# Altium PCB T4F81.PcbDoc (part 1 of 2)
Units mil, origin at the board's own origin, x right, y up, seen from the top; angles counter-clockwise.
Board outline 1574.8 x 2047.24 mil, 4 copper layers (Top Layer, GND, PWR, Bottom Layer), stack 39.337 mil thick; 73 components, 105 nets, 375 pads, 167 vias.
Unrouted connection lines stored in the file: 1.
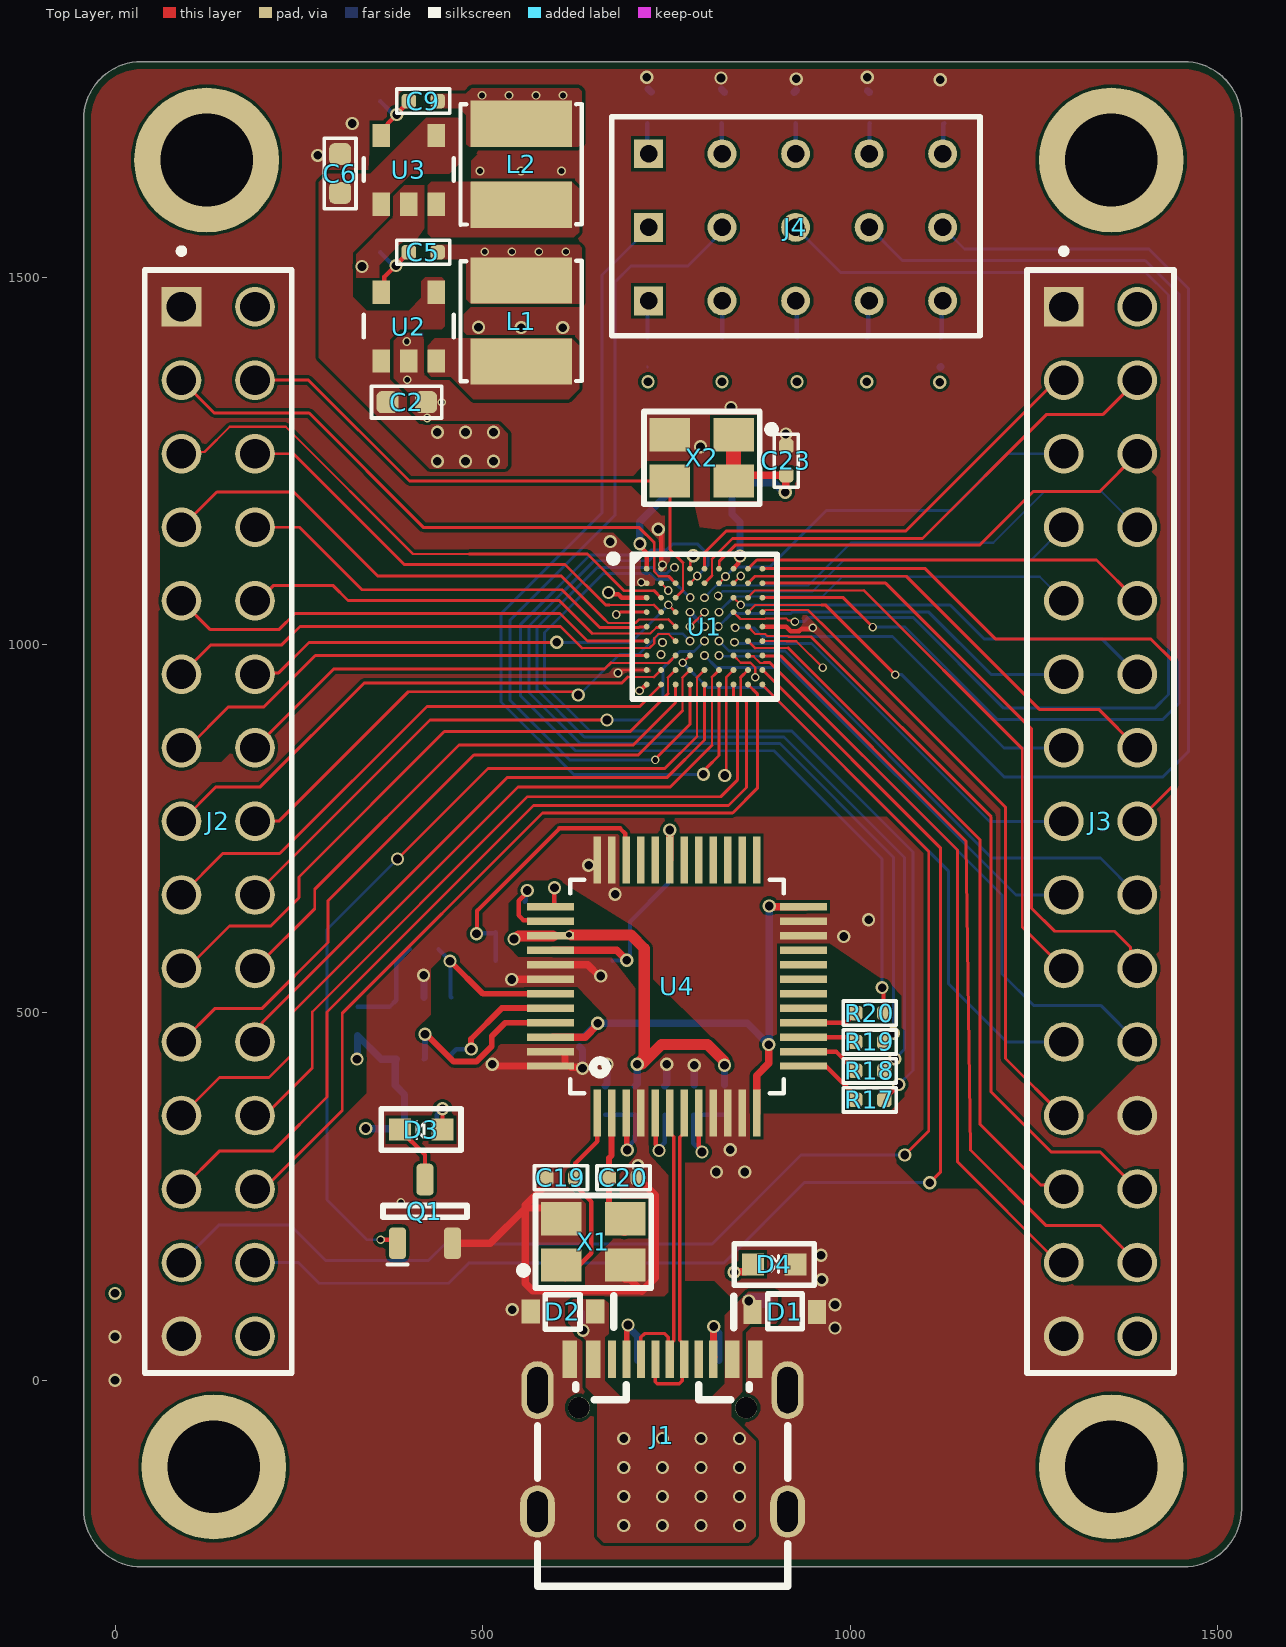
[diagram p0: Top Layer view]
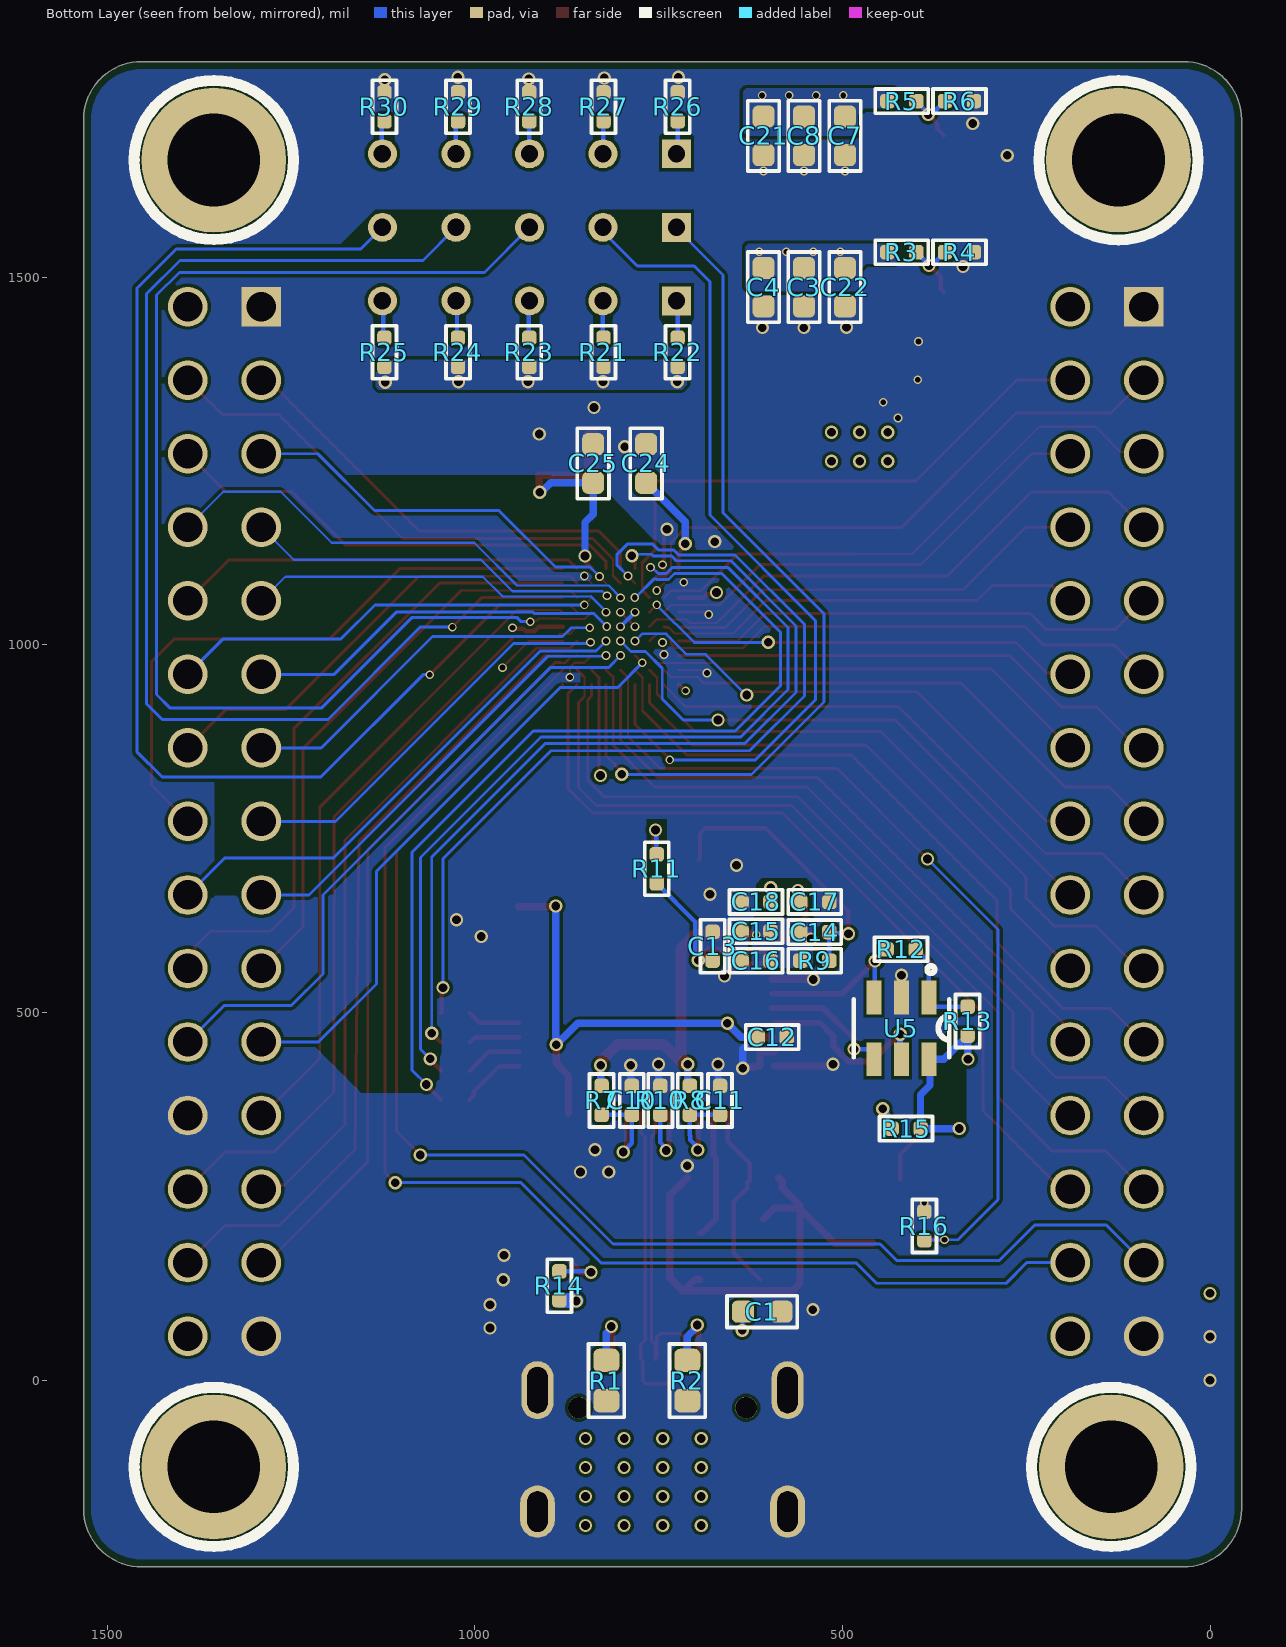
[diagram p1: Bottom Layer view, seen from below]
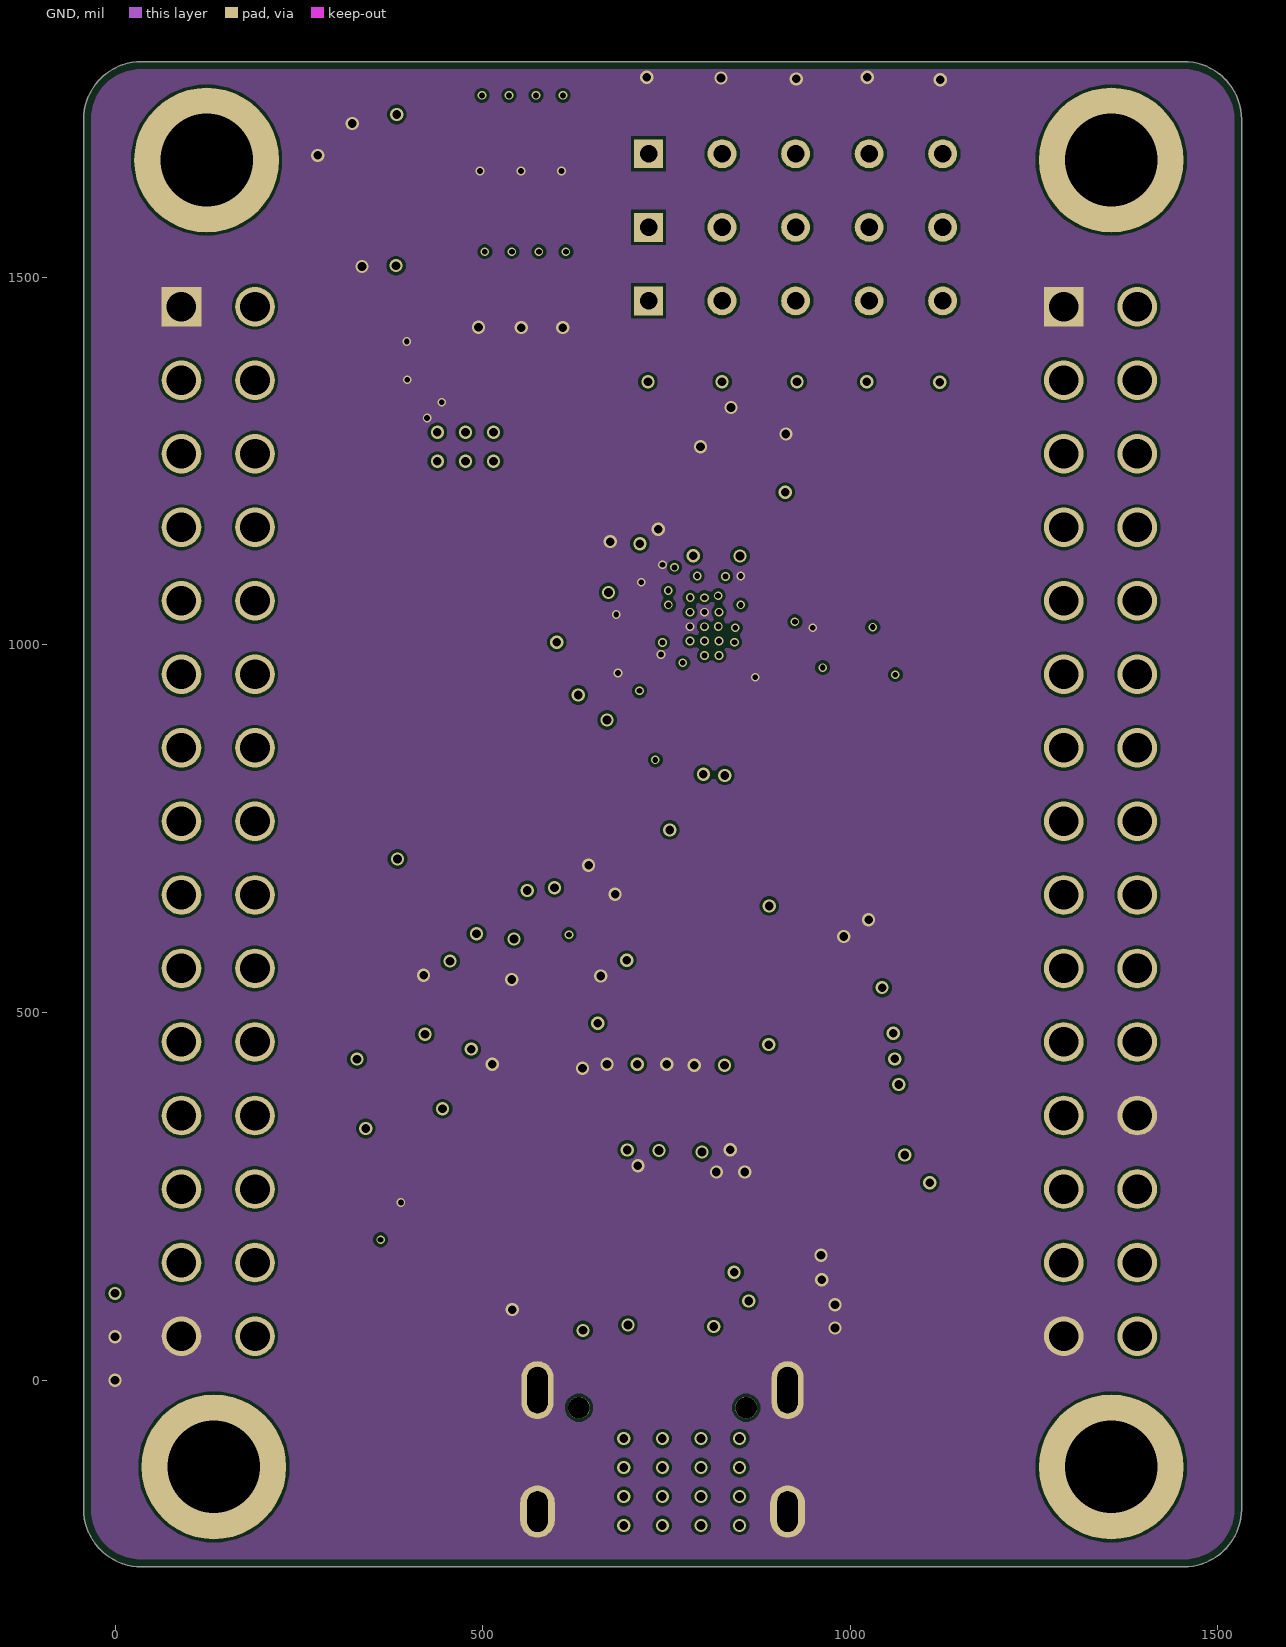
[diagram p2: GND]
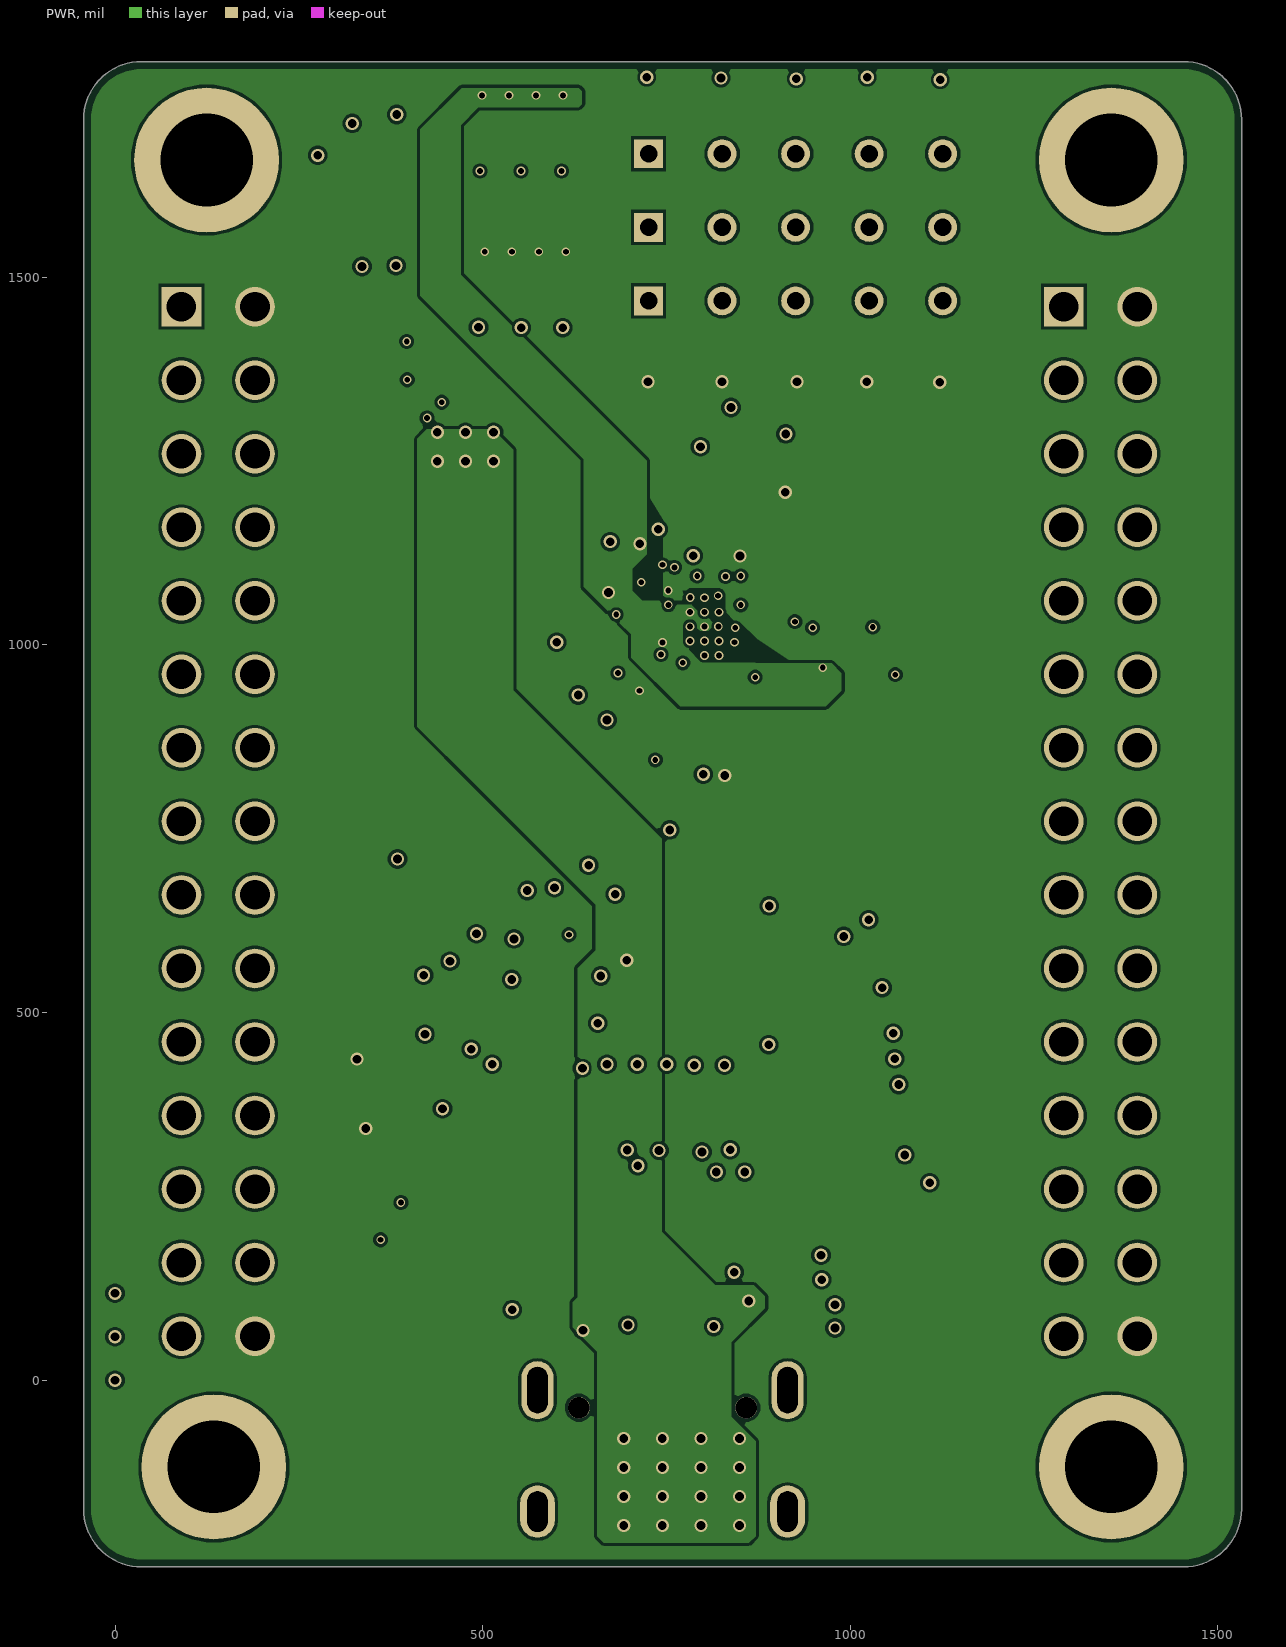
[diagram p3: PWR]

## Layer stack, top to bottom
Top Solder: solder mask 0.4, Solder Resist, Dk 3.5
Top Layer: signal copper 1.378
Dielectric 2: prepreg 3.913, PP-006, Dk 4.1
GND: signal copper 0.598
Dielectric 1: prepreg 27.5591, FR-4, Dk 4.8
PWR: signal copper 0.598
Dielectric 3: prepreg 3.913, PP-006, Dk 4.1
Bottom Layer: signal copper 1.378
Bottom Solder: solder mask 0.4, Solder Resist, Dk 3.5

## Board outline
35.93,-253.87 cw(c35.93,-175.13) -42.81,-175.13 -42.81,1714.64 cw(c35.93,1714.64) 35.93,1793.38 1453.26,1793.38 cw(c1453.26,1714.64) 1532,1714.64 1532,-175.13 cw(c1453.26,-175.13) 1453.26,-253.87

## Design rules (kind name [scope] priority, off if disabled: settings)
BoardOutlineClearance [All] p1: gap=10 ignorepadtopadclearanceinfootprint=FALSE
Clearance [All] p1: gap=4 ignorepadtopadclearanceinfootprint=TRUE except(3: Arc-Arc Arc-Track Track-Track)
DiffPairsRouting [InDifferentialPair('USB')] p1: maxlimit=4 minlimit=4 mostfreqgap=4 toplayer_minwidth=4.62 toplayer_maxwidth=4.62 toplayer_prefwidth=4.62 midlayer1_minwidth=4.62 midlayer1_maxwidth=4.62 midlayer1_prefwidth=4.62 midlayer2_minwidth=4.62 midlayer2_maxwidth=4.62 midlayer2_prefwidth=4.62 bottomlayer_minwidth=4.62 bottomlayer_maxwidth=4.62 bottomlayer_prefwidth=4.62 maxuncoupledlength=500
PolygonConnect [All] p1: connectstyle=Direct reliefconductorwidth=10 reliefentries=4 polygonreliefangle="90 Angle" airgapwidth=10
RoutingVias [All] p1: holewidth=11.81 width=17.99 viastyle="Through Hole" minholewidth=7.87 minwidth=11.81 maxholewidth=11.81 maxwidth=17.99
SolderMaskExpansion [All] p1: expansion=2 istentingtop=FALSE
Width [All] p1: maxlimit=20 minlimit=3 preferedwidth=10 minimp=50.000000 maximp=50.000000 favimp=50.000000
29 further rules are at their usual default settings.

## Classes and differential pairs
differential pair class USB: USB
net class USB_2.0: USB_N USB_P
component class T4F81_FPGA: C10 C11 C12 C13 C14 C15 C16 C17 C18 C19 C20 C23 D3 J2 J3 J4 Q1 R7 R8 R9 R10 R11 R12 R13 R15 R16 R17 R18 R19 R20 R21 R22 R23 R24 R25 R26 R27 R28 R29 R30 U1 U4 U5 X1 X2
component class Power: C1 C2 C3 C4 C5 C6 C7 C8 C9 C21 C22 C24 C25 D1 D2 D4 J1 L1 L2 R1 R2 R3 R4 R5 R6 R14 U2 U3
differential pair USB: +USB_P -USB_N

## Components (designator, comment, footprint, x,y, rotation, side; value= is the part's Value field where it differs from the comment)
C1 "Capacitor" CAPC0603 609.16,93.29 r180 bottom value=10uF
C2 "" CAPC0603 396.61,1330.11 r180 top value=22uF
C3 "" CAPC0603 552.17,1486.51 r90 bottom value=22uF
C4 "" CAPC0603 607.21,1486.51 r90 bottom value=22uF
C5 "" CAPC0402 419.17,1534.1 r0 top value=22pF
C6 "" CAPC0603 306.06,1641.13 r270 top value=22uF
C7 "" CAPC0603 496.39,1692.33 r90 bottom value=22uF
C8 "" CAPC0603 552.17,1692.33 r90 bottom value=22uF
C9 "" CAPC0402 419.21,1739.65 r0 top value=22pF
C10 "" CAPC0402 786.43,380.54 r270 bottom value=0.1uF
C11 "" CAPC0402 666.43,380.54 r270 bottom value=0.1uF
C12 "" CAPC0402 595.49,466.64 r0 bottom value=0.1uF
C13 "" CAPC0402 676.56,590.23 r270 bottom value=0.1uF
C14 "" CAPC0402 537.49,609.48 r0 bottom value=10nF
C15 "" CAPC0402 617.49,610.54 r180 bottom value=4.7uF
C16 "" CAPC0402 617.49,570.54 r180 bottom value=0.1uF
C17 "" CAPC0402 537.49,650.54 r0 bottom value=0.1uF
C18 "" CAPC0402 617.49,650.54 r180 bottom value=0.1uF
C19 "" CAPC0402 606.44,275.36 r0 top value=22pF
C20 "" CAPC0402 691.44,275.36 r180 top value=22pF
C21 "" CAPC0603 607.21,1692.33 r90 bottom value=22uF
C22 "" CAPC0603 496.39,1486.51 r90 bottom value=22uF
C23 "" CAPC0402 912.92,1250.62 r270 top value=15pF
C24 "" CAPC0603 766.83,1246.8 r270 bottom value=22uF
C25 "" CAPC0603 839.02,1246.8 r270 bottom value=22uF
D1 "DIODE_B5819WS" sod-323 910.66,93.11 r180 top
D2 "DIODE_B5819WS" sod-323 609.16,93.29 r0 top
D3 "" led_0603 416.28,340.74 r180 top
D4 "" led_0603 896.48,157.63 r0 top
J1 "TYPE-C" TYPE-C 744.59,-75.02 r0 top locked
J2 "Header 15X2 2.54mm" Header_15X2_2.54 90.31,1460.03 r270 top locked
J3 "Header 15X2 2.54mm" Header_15X2_2.54 1290.31,1460.03 r270 top locked
J4 "header 5X3" "HEADER_5X3_2.54 - duplicate" 925.58,1468 r0 top
L1 "IND_1" IND_4.0X4.0X2.0 552.41,1440.48 r90 top value=2.2uH
L2 "IND_1" IND_4.0X4.0X2.0 552.41,1653.63 r90 top value=2.2uH
Q1 "" SOT23-3 421.52,230.58 r0 top
R1 "Resistor" RESC0603 820.95,-0.45 r90 bottom value=4.7K
R2 "Resistor" RESC0603 710.95,-0.45 r90 bottom value=4.7K
R3 "Res1" resc0402 419.18,1534.1 r180 bottom value=9k
R4 "Res1" resc0402 340.72,1534.1 r180 bottom value=2k
R5 "Res1" resc0402 419.18,1739.65 r180 bottom value=1.2kohm
R6 "Res1" resc0402 340.72,1739.66 r180 bottom value=1K
R7 "Res1" resc0402 827.49,380.54 r90 bottom value=0OHM
R8 "Res1" resc0402 707.49,380.54 r90 bottom value=0OHM
R9 "Res1" RESC0402 537.49,570.54 r0 bottom value=10k
R10 "Res1" resc0402 747.49,380.54 r270 bottom value=12k
R11 "Res1" CAPC0402 752.49,695.54 r90 bottom value=39K
R12 "Res1" resc0402 420.23,586.01 r0 bottom value=2k
R13 "Res1" resc0402 329.71,488.48 r90 bottom value=10k
R14 "Res1" resc0402 884.81,128.47 r90 bottom value=2K
R15 "" RESC0402 413.41,342.28 r180 bottom value=240E
R16 "" RESC0402 388.45,209.76 r90 bottom value=1k
R17 "Res1" resc0402 1026.53,381.29 r180 top value=0OHM
R18 "Res1" resc0402 1026.53,420.66 r180 top value=0OHM
R19 "Res1" resc0402 1026.53,460.03 r180 top value=0OHM
R20 "Res1" resc0402 1026.53,499.4 r180 top value=0OHM
R21 "Res1" resc0402 824.9,1397.96 r270 bottom value=1k
R22 "Res1" resc0402 724.1,1397.96 r270 bottom value=1k
R23 "Res1" resc0402 925.77,1397.96 r270 bottom value=1k
R24 "Res1" resc0402 1022.8,1397.96 r270 bottom value=1k
R25 "Res1" resc0402 1122.8,1397.96 r270 bottom value=1k
R26 "Res1" resc0402 724.06,1731.84 r90 bottom value=1k
R27 "Res1" resc0402 824.86,1731.84 r90 bottom value=1k
R28 "Res1" resc0402 925.74,1731.84 r90 bottom value=1k
R29 "Res1" resc0402 1022.76,1731.84 r90 bottom value=1k
R30 "Res1" resc0402 1122.76,1731.84 r90 bottom value=1k
U1 "T4F81" "T4F81 FPGA" 801.7,1024.95 r0 top locked
U2 "AP3429" SOT23-5 402.41,1435.48 r90 top
U3 "AP3429" SOT23-5 402.41,1648.63 r90 top
U4 "FTDI" LQFP-48 764.28,535.54 r90 top
U5 "93LC56BT-I/OT" SOT23-6 419.71,478.48 r270 bottom
X1 "XC2426TR-ND" Crystal_3225 650.38,188.24 r0 top
X2 "Oscillator OT322550MJBA4SL" Crystal_3225 797.92,1254.44 r180 top
